# KiCad board JL.kicad_pcb (continued)
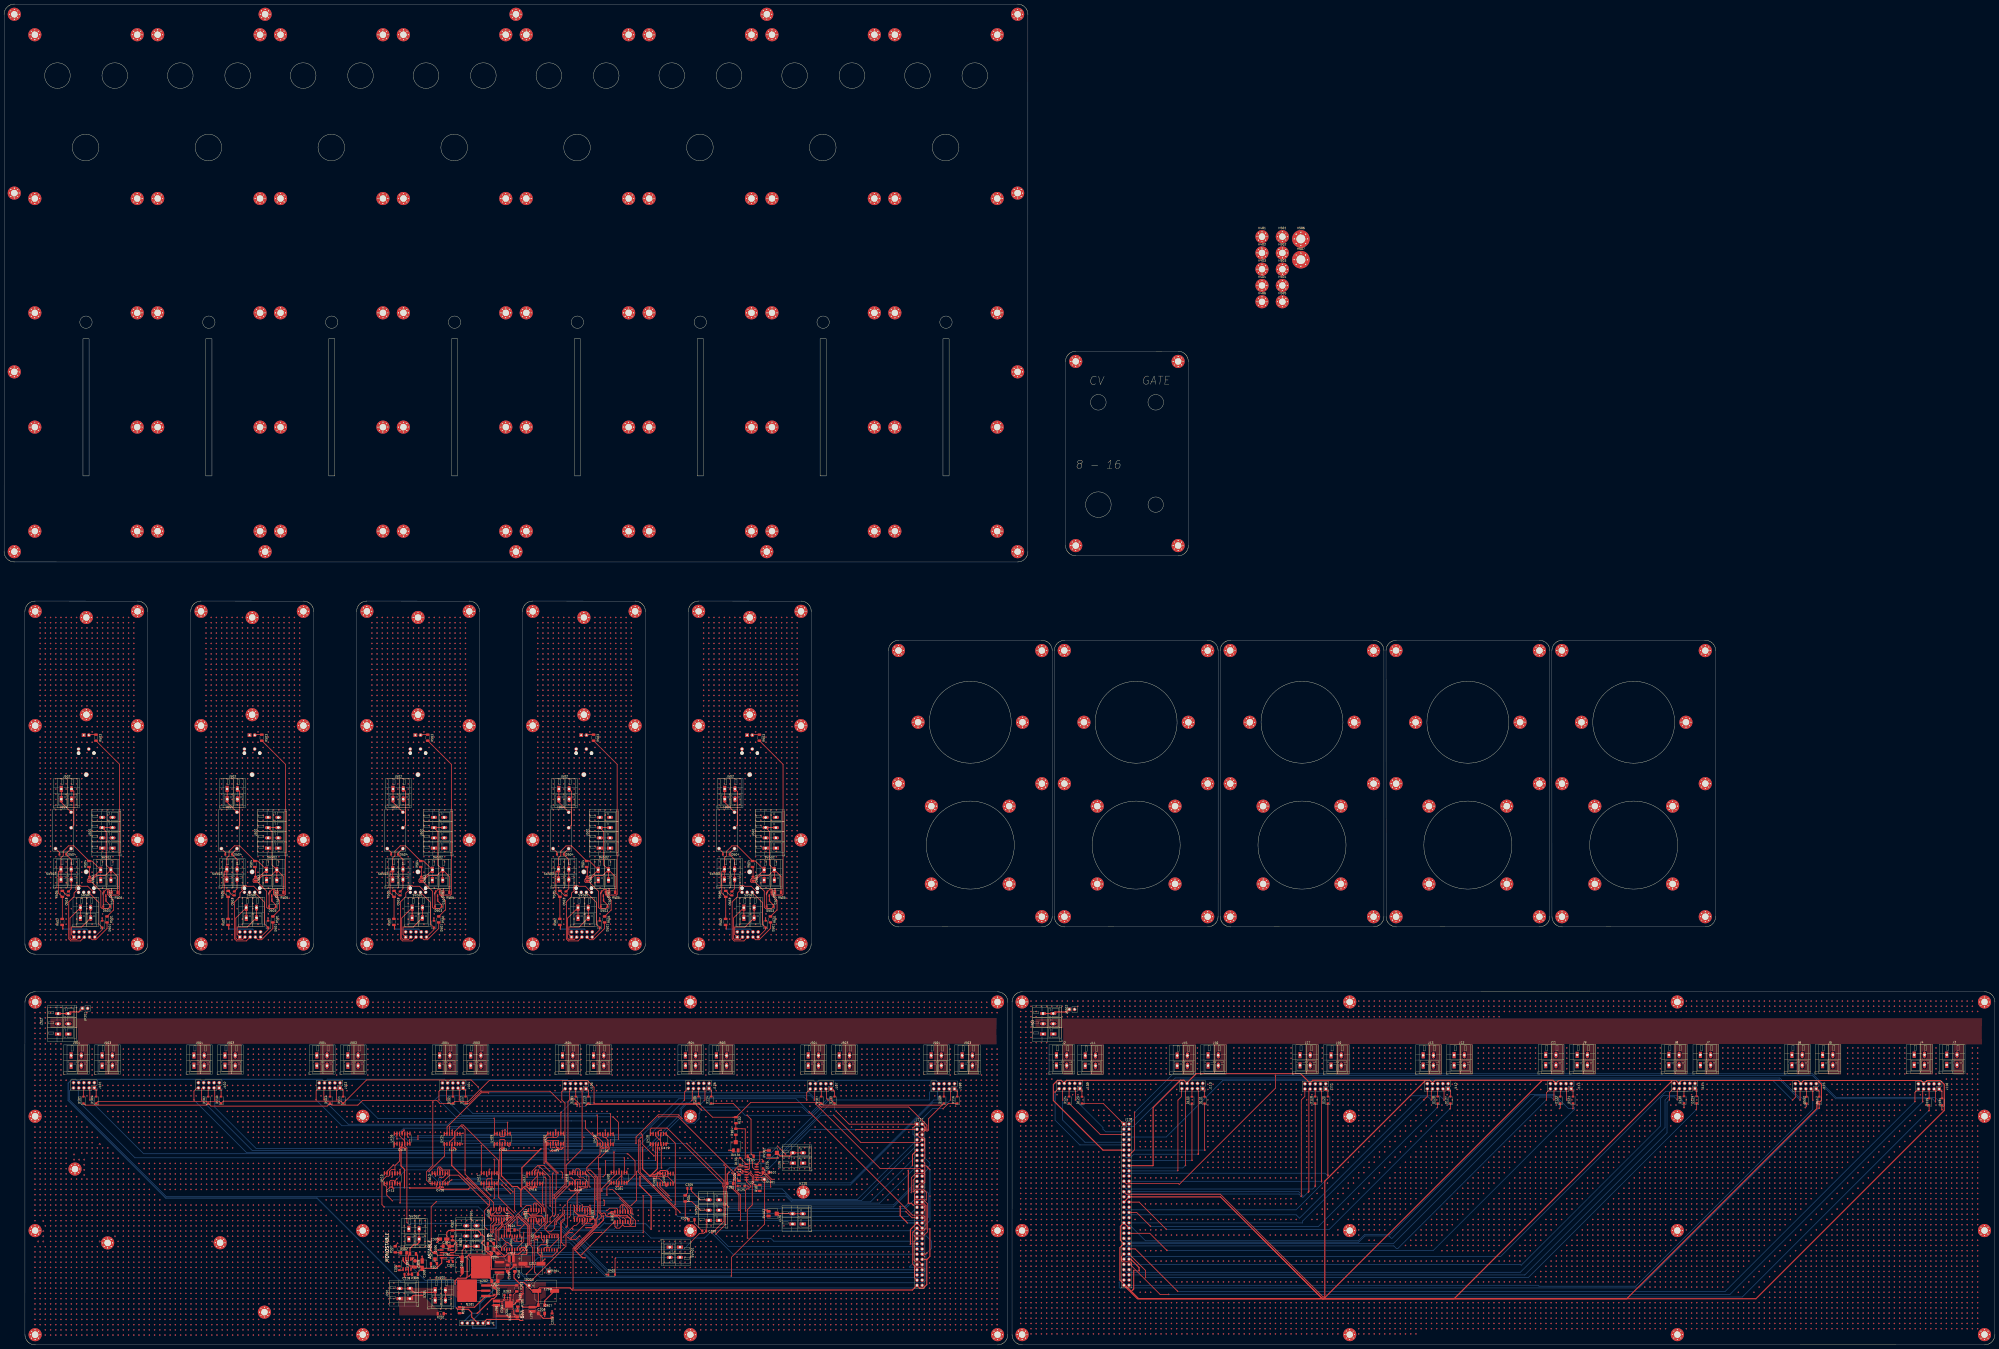
[diagram p0: board, top side]
## Routing (per net, layer and track width the routed paths; a pad name or vN(x,y) marks a point on that pad's centre or on a via; arc(x,y) is an arc through that point) (continued)
  vias: v1(15.07,162.29) v1(15.07,159.75) v1(15.07,157.21) v1(15.07,154.67) v1(15.07,152.13) v1(15.07,149.59) v1(15.07,147.05) v1(15.07,144.51) v1(15.07,141.97) v1(15.07,139.43) v1(15.07,136.89) v1(15.07,134.35) v1(15.07,131.81) v1(15.07,129.27) v1(15.07,126.73) v1(15.07,124.19) v1(15.07,121.65) v1(15.07,119.11) v1(15.07,116.57) v1(15.07,106.41) v1(15.07,103.87) v1(15.07,101.33) v1(15.07,98.79) v1(15.07,96.25) v1(15.07,93.71) v1(15.07,91.17) v1(15.07,88.63) v1(15.07,86.09) v1(15.07,83.55) v1(15.07,81.01) v1(15.07,78.47) v1(15.07,75.93) v1(15.07,73.39) v1(15.07,70.85) v1(15.07,68.31) v1(15.07,65.77) v1(15.07,63.23) v1(15.07,60.69) v1(15.07,47.99) v1(15.07,45.45) v1(15.07,42.91) v1(15.07,40.37) v1(15.07,37.83) v1(15.07,35.29) v1(15.07,32.75) v1(15.07,30.21) v1(15.07,27.67) v1(15.07,25.13) v1(15.07,22.59) v1(15.07,20.05) v1(15.07,17.51) v1(15.07,14.97) v1(15.07,12.43) v1(15.07,9.89) v1(17.61,162.29) v1(17.61,159.75) v1(17.61,157.21) v1(17.61,154.67) v1(17.61,152.13) v1(17.61,149.59) v1(17.61,147.05) v1(17.61,144.51) v1(17.61,141.97) v1(17.61,139.43) v1(17.61,136.89) v1(17.61,134.35) v1(17.61,131.81) v1(17.61,129.27) v1(17.61,126.73) v1(17.61,124.19) v1(17.61,121.65) v1(17.61,119.11) v1(17.61,116.57) v1(17.61,106.41) v1(17.61,103.87) v1(17.61,101.33) v1(17.61,98.79) v1(17.61,96.25) v1(17.61,93.71) v1(17.61,91.17) v1(17.61,88.63) v1(17.61,86.09) v1(17.61,83.55) v1(17.61,81.01) v1(17.61,78.47) v1(17.61,75.93) v1(17.61,73.39) v1(17.61,70.85) v1(17.61,68.31) v1(17.61,65.77) v1(17.61,63.23) v1(17.61,47.99) v1(17.61,45.45) v1(17.61,42.91) v1(17.61,40.37) v1(17.61,37.83) v1(17.61,35.29) v1(17.61,32.75) v1(17.61,30.21) v1(17.61,27.67) v1(17.61,25.13) v1(17.61,22.59) v1(17.61,20.05) v1(17.61,17.51) v1(17.61,14.97) v1(17.61,12.43) v1(17.61,9.89) v1(20.15,167.37) v1(20.15,164.83) v1(20.15,162.29) v1(20.15,159.75) v1(20.15,157.21) v1(20.15,154.67) v1(20.15,152.13) v1(20.15,149.59) v1(20.15,147.05) v1(20.15,144.51) v1(20.15,141.97) v1(20.15,139.43) v1(20.15,136.89) v1(20.15,134.35) v1(20.15,131.81) v1(20.15,129.27) v1(20.15,126.73) v1(20.15,124.19) v1(20.15,121.65) v1(20.15,119.11) v1(20.15,116.57) v1(20.15,114.03) v1(20.15,111.49) v1(20.15,108.95) v1(20.15,106.41) v1(20.15,103.87) v1(20.15,101.33) v1(20.15,98.79) v1(20.15,96.25) v1(20.15,93.71) v1(20.15,91.17) v1(20.15,88.63) v1(20.15,86.09) v1(20.15,83.55) v1(20.15,81.01) v1(20.15,78.47) v1(20.15,75.93) v1(20.15,73.39) v1(20.15,70.85) v1(20.15,68.31) v1(20.15,65.77) v1(20.15,63.23) v1(20.15,58.15) v1(20.15,47.99) v1(20.15,45.45) v1(20.15,42.91) v1(20.15,40.37) v1(20.15,37.83) v1(20.15,35.29) v1(20.15,32.75) v1(20.15,30.21) v1(20.15,27.67) v1(20.15,25.13) v1(20.15,22.59) v1(20.15,20.05) v1(20.15,17.51) v1(20.15,14.97) v1(20.15,12.43) v1(20.15,9.89) v1(20.15,7.35) v1(20.15,4.81) v1(22.69,167.37) v1(22.69,164.83) v1(22.69,162.29) v1(22.69,147.05) v1(22.69,144.51) v1(22.69,141.97) v1(22.69,139.43) v1(22.69,136.89) v1(22.69,134.35) v1(22.69,131.81) v1(22.69,129.27) v1(22.69,126.73) v1(22.69,124.19) v1(22.69,121.65) v1(22.69,119.11) v1(22.69,116.57) v1(22.69,114.03) v1(22.69,111.49) v1(22.69,108.95) v1(22.69,106.41) v1(22.69,103.87) v1(22.69,101.33) v1(22.69,98.79) v1(22.69,96.25) v1(22.69,93.71) v1(22.69,91.17) v1(22.69,88.63) v1(22.69,86.09) v1(22.69,83.55) v1(22.69,81.01) v1(22.69,78.47) v1(22.69,75.93) v1(22.69,73.39) v1(22.69,70.85) v1(22.69,68.31) v1(22.69,65.77) v1(22.69,63.23) v1(22.69,60.69) v1(22.69,58.15) v1(22.69,55.61) v1(22.69,53.07) v1(22.69,50.53) v1(22.69,47.99) v1(22.69,45.45) v1(22.69,42.91) v1(22.69,40.37) v1(22.69,37.83) v1(22.69,35.29) v1(22.69,32.75) v1(22.69,30.21) v1(22.69,27.67) v1(22.69,25.13) v1(22.69,22.59) v1(22.69,20.05) v1(22.69,17.51) v1(22.69,14.97) v1(22.69,12.43) v1(22.69,9.89) v1(22.69,7.35) v1(22.69,4.81) v1(25.23,167.37) v1(25.23,164.83) v1(25.23,147.05) v1(25.23,144.51) v1(25.23,141.97) v1(25.23,139.43) v1(25.23,136.89) v1(25.23,134.35) v1(25.23,131.81) v1(25.23,129.27) v1(25.23,126.73) v1(25.23,124.19) v1(25.23,121.65) v1(25.23,119.11) v1(25.23,116.57) v1(25.23,114.03) v1(25.23,111.49) v1(25.23,108.95) v1(25.23,106.41) v1(25.23,103.87) v1(25.23,101.33) v1(25.23,98.79) v1(25.23,96.25) v1(25.23,93.71) v1(25.23,91.17) v1(25.23,88.63) v1(25.23,86.09) v1(25.23,83.55) v1(25.23,81.01) v1(25.23,78.47) v1(25.23,75.93) v1(25.23,73.39) v1(25.23,70.85) v1(25.23,68.31) v1(25.23,65.77) v1(25.23,63.23) v1(25.23,60.69) v1(25.23,58.15) v1(25.23,55.61) v1(25.23,53.07) v1(25.23,50.53) v1(25.23,47.99) v1(25.23,45.45) v1(25.23,42.91) v1(25.23,40.37) v1(25.23,37.83) v1(25.23,35.29) v1(25.23,32.75) v1(25.23,30.21) v1(25.23,27.67) v1(25.23,25.13) v1(25.23,22.59) v1(25.23,20.05) v1(25.23,17.51) v1(25.23,14.97) v1(25.23,12.43) v1(25.23,9.89) v1(25.23,7.35) v1(25.23,4.81) v1(27.77,167.37) v1(27.77,164.83) v1(27.77,147.05) v1(27.77,144.51) v1(27.77,141.97) v1(27.77,139.43) v1(27.77,136.89) v1(27.77,134.35) v1(27.77,131.81) v1(27.77,129.27) v1(27.77,126.73) v1(27.77,124.19) v1(27.77,121.65) v1(27.77,119.11) v1(27.77,116.57) v1(27.77,114.03) v1(27.77,111.49) v1(27.77,108.95) v1(27.77,106.41) v1(27.77,103.87) v1(27.77,101.33) v1(27.77,98.79) v1(27.77,96.25) v1(27.77,93.71) v1(27.77,91.17) v1(27.77,88.63) v1(27.77,86.09) v1(27.77,83.55) v1(27.77,81.01) v1(27.77,78.47) v1(27.77,75.93) v1(27.77,73.39) v1(27.77,70.85) v1(27.77,68.31) v1(27.77,65.77) v1(27.77,63.23) v1(27.77,60.69) v1(27.77,58.15) v1(27.77,55.61) v1(27.77,53.07) v1(27.77,50.53) v1(27.77,47.99) v1(27.77,45.45) v1(27.77,42.91) v1(27.77,40.37) v1(27.77,37.83) v1(27.77,35.29) v1(27.77,32.75) v1(27.77,30.21) v1(27.77,27.67) v1(27.77,25.13) v1(27.77,22.59) v1(27.77,20.05) v1(27.77,17.51) v1(27.77,14.97) v1(27.77,12.43) v1(27.77,9.89) v1(27.77,7.35) v1(27.77,4.81) v1(30.31,167.37) v1(30.31,164.83) v1(30.31,129.27) v1(30.31,116.57) v1(30.31,114.03) v1(30.31,111.49) v1(30.31,108.95) v1(30.31,106.41) v1(30.31,103.87) v1(30.31,101.33) v1(30.31,98.79) v1(30.31,96.25) v1(30.31,93.71) v1(30.31,91.17) v1(30.31,88.63) v1(30.31,86.09) v1(30.31,83.55) v1(30.31,81.01) v1(30.31,78.47) v1(30.31,75.93) v1(30.31,73.39) v1(30.31,70.85) v1(30.31,68.31) v1(30.31,65.77) v1(30.31,63.23) v1(30.31,60.69) v1(30.31,58.15) v1(30.31,55.61) v1(30.31,53.07) v1(30.31,50.53) v1(30.31,47.99) v1(30.31,45.45) v1(30.31,42.91) v1(30.31,40.37) v1(30.31,37.83) v1(30.31,35.29) v1(30.31,32.75) v1(30.31,30.21) v1(30.31,27.67) v1(30.31,25.13) v1(30.31,22.59) v1(30.31,20.05) v1(30.31,17.51) v1(30.31,14.97) v1(30.31,12.43) v1(30.31,9.89) v1(30.31,7.35) v1(30.31,4.81) v1(32.85,167.37) v1(32.85,164.83) v1(32.85,114.03) v1(32.85,111.49) v1(32.85,108.95) v1(32.85,106.41) v1(32.85,103.87) v1(32.85,101.33) v1(32.85,98.79) v1(32.85,96.25) v1(32.85,81.01) v1(32.85,78.47) v1(32.85,75.93) v1(32.85,73.39) v1(32.85,70.85) v1(32.85,68.31) v1(32.85,65.77) v1(32.85,63.23) v1(32.85,60.69) v1(32.85,58.15) v1(32.85,55.61) v1(32.85,53.07) v1(32.85,50.53) v1(32.85,47.99) v1(32.85,45.45) v1(32.85,42.91) v1(32.85,40.37) v1(32.85,37.83) v1(32.85,35.29) v1(32.85,32.75) v1(32.85,30.21) v1(32.85,27.67) v1(32.85,25.13) v1(32.85,22.59) v1(32.85,20.05) v1(32.85,17.51) v1(32.85,14.97) v1(32.85,12.43) v1(32.85,9.89) v1(32.85,7.35) v1(32.85,4.81) v1(35.39,167.37) v1(35.39,164.83) v1(35.39,111.49) v1(35.39,108.95) v1(35.39,106.41) v1(35.39,103.87) v1(35.39,101.33) v1(35.39,98.79) v1(35.39,96.25) v1(35.39,81.01) v1(35.39,78.47) v1(35.39,75.93) v1(35.39,73.39) v1(35.39,70.85) v1(35.39,68.31) v1(35.39,65.77) v1(35.39,63.23) v1(35.39,60.69) v1(35.39,58.15) v1(35.39,55.61) v1(35.39,53.07) v1(35.39,50.53) v1(35.39,47.99) v1(35.39,45.45) v1(35.39,42.91) v1(35.39,40.37) v1(35.39,37.83) v1(35.39,35.29) v1(35.39,32.75) v1(35.39,30.21) v1(35.39,27.67) v1(35.39,25.13) v1(35.39,22.59) v1(35.39,20.05) v1(35.39,17.51) v1(35.39,14.97) v1(35.39,12.43) v1(35.39,9.89) v1(35.39,7.35) v1(35.39,4.81) v1(37.93,167.37) v1(37.93,108.95) v1(37.93,106.41) v1(37.93,103.87) v1(37.93,101.33) v1(37.93,98.79) v1(37.93,96.25) v1(37.93,93.71) v1(37.93,81.01) v1(37.93,78.47) v1(37.93,75.93) v1(37.93,73.39) v1(37.93,70.85) v1(37.93,68.31) v1(37.93,65.77) v1(37.93,63.23) v1(37.93,60.69) v1(37.93,58.15) v1(37.93,55.61) v1(37.93,53.07) v1(37.93,50.53) v1(37.93,47.99) v1(37.93,45.45) v1(37.93,42.91) v1(37.93,40.37) v1(37.93,37.83) v1(37.93,35.29) v1(37.93,32.75) v1(37.93,30.21) v1(37.93,27.67) v1(37.93,25.13) v1(37.93,22.59) v1(37.93,20.05) v1(37.93,17.51) v1(37.93,14.97) v1(37.93,12.43) v1(37.93,9.89) v1(37.93,7.35) v1(37.93,4.81) v1(40.47,167.37) v1(40.47,162.29) v1(40.47,121.65) v1(40.47,106.41) v1(40.47,103.87) v1(40.47,101.33) v1(40.47,98.79) v1(40.47,96.25) v1(40.47,93.71) v1(40.47,81.01) v1(40.47,78.47) v1(40.47,75.93) v1(40.47,73.39) v1(40.47,70.85) v1(40.47,68.31) v1(40.47,65.77) v1(40.47,63.23) v1(40.47,60.69) v1(40.47,58.15) v1(40.47,55.61) v1(40.47,53.07) v1(40.47,50.53) v1(40.47,47.99) v1(40.47,45.45) v1(40.47,42.91) v1(40.47,40.37) v1(40.47,37.83) v1(40.47,35.29) v1(40.47,32.75) v1(40.47,30.21) v1(40.47,27.67) v1(40.47,25.13) v1(40.47,22.59) v1(40.47,20.05) v1(40.47,17.51) v1(40.47,14.97) v1(40.47,12.43) v1(40.47,9.89) v1(40.47,7.35) v1(40.47,4.81) v1(43.01,167.37) v1(43.01,164.83) v1(43.01,162.29) v1(43.01,144.51) v1(43.01,141.97) v1(43.01,139.43) v1(43.01,136.89) v1(43.01,134.35) v1(43.01,131.81) v1(43.01,121.65) v1(43.01,103.87) v1(43.01,101.33) v1(43.01,98.79) v1(43.01,96.25) v1(43.01,93.71) v1(43.01,91.17) v1(43.01,88.63) v1(43.01,86.09) v1(43.01,83.55) v1(43.01,81.01) v1(43.01,78.47) v1(43.01,75.93) v1(43.01,73.39) v1(43.01,70.85) v1(43.01,68.31) v1(43.01,65.77) v1(43.01,63.23) v1(43.01,60.69) v1(43.01,58.15) v1(43.01,55.61) v1(43.01,53.07) v1(43.01,50.53) v1(43.01,47.99) v1(43.01,45.45) v1(43.01,42.91) v1(43.01,40.37) v1(43.01,37.83) v1(43.01,35.29) v1(43.01,32.75) v1(43.01,30.21) v1(43.01,27.67) v1(43.01,25.13) v1(43.01,22.59) v1(43.01,20.05) v1(43.01,17.51) v1(43.01,14.97) v1(43.01,12.43) v1(43.01,9.89) v1(43.01,7.35) v1(43.01,4.81) v1(45.55,167.37) v1(45.55,164.83) v1(45.55,162.29) v1(45.55,101.33) v1(45.55,96.25) v1(45.55,93.71) v1(45.55,91.17) v1(45.55,88.63) v1(45.55,86.09) v1(45.55,83.55) v1(45.55,81.01) v1(45.55,78.47) v1(45.55,75.93) v1(45.55,73.39) v1(45.55,70.85) v1(45.55,68.31) v1(45.55,65.77) v1(45.55,63.23) v1(45.55,60.69) v1(45.55,58.15) v1(45.55,55.61) v1(45.55,53.07) v1(45.55,47.99) v1(45.55,45.45) v1(45.55,42.91) v1(45.55,40.37) v1(45.55,37.83) v1(45.55,35.29) v1(45.55,32.75) v1(45.55,30.21) v1(45.55,27.67) v1(45.55,25.13) v1(45.55,22.59) v1(45.55,20.05) v1(45.55,17.51) v1(45.55,14.97) v1(45.55,12.43) v1(45.55,9.89) v1(45.55,7.35) v1(45.55,4.81) v1(48.09,167.37) v1(48.09,164.83) v1(48.09,162.29) v1(48.09,126.73) v1(48.09,124.19) v1(48.09,121.65) v1(48.09,96.25) v1(48.09,93.71) v1(48.09,91.17) v1(48.09,88.63) v1(48.09,86.09) v1(48.09,83.55) v1(48.09,81.01) v1(48.09,78.47) v1(48.09,75.93) v1(48.09,73.39) v1(48.09,70.85) v1(48.09,68.31) v1(48.09,65.77) v1(48.09,63.23) v1(48.09,60.69) v1(48.09,58.15) v1(48.09,55.61) v1(48.09,45.45) v1(48.09,42.91) v1(48.09,40.37) v1(48.09,37.83) v1(48.09,35.29) v1(48.09,32.75) v1(48.09,30.21) v1(48.09,27.67) v1(48.09,25.13) v1(48.09,22.59) v1(48.09,20.05) v1(48.09,17.51) v1(48.09,14.97) v1(48.09,12.43) v1(48.09,9.89) v1(48.09,7.35) v1(48.09,4.81) v1(50.63,167.37) v1(50.63,164.83) v1(50.63,162.29) v1(50.63,126.73) v1(50.63,124.19) v1(50.63,121.65) v1(50.63,114.03) v1(50.63,96.25) v1(50.63,93.71) v1(50.63,91.17) v1(50.63,88.63) v1(50.63,86.09) v1(50.63,83.55) v1(50.63,81.01) v1(50.63,78.47) v1(50.63,75.93) v1(50.63,73.39) v1(50.63,70.85) v1(50.63,68.31) v1(50.63,65.77) v1(50.63,63.23) v1(50.63,60.69) v1(50.63,58.15) v1(50.63,55.61) v1(50.63,45.45) v1(50.63,42.91) v1(50.63,40.37) v1(50.63,37.83) v1(50.63,35.29) v1(50.63,32.75) v1(50.63,30.21) v1(50.63,27.67) v1(50.63,25.13) v1(50.63,22.59) v1(50.63,20.05) v1(50.63,17.51) v1(50.63,14.97) v1(50.63,12.43) v1(50.63,9.89) v1(50.63,7.35) v1(50.63,4.81) v1(53.17,167.37) v1(53.17,164.83) v1(53.17,162.29) v1(53.17,126.73) v1(53.17,124.19) v1(53.17,121.65) v1(53.17,114.03) v1(53.17,111.49) v1(53.17,93.71) v1(53.17,91.17) v1(53.17,88.63) v1(53.17,86.09) v1(53.17,83.55) v1(53.17,81.01) v1(53.17,78.47) v1(53.17,75.93) v1(53.17,73.39) v1(53.17,70.85) v1(53.17,68.31) v1(53.17,65.77) v1(53.17,63.23) v1(53.17,60.69) v1(53.17,58.15) v1(53.17,55.61) v1(53.17,45.45) v1(53.17,42.91) v1(53.17,40.37) v1(53.17,37.83) v1(53.17,35.29) v1(53.17,32.75) v1(53.17,30.21) v1(53.17,27.67) v1(53.17,25.13) v1(53.17,22.59) v1(53.17,20.05) v1(53.17,17.51) v1(53.17,14.97) v1(53.17,12.43) v1(53.17,9.89) v1(53.17,7.35) v1(53.17,4.81) v1(55.71,167.37) v1(55.71,164.83) v1(55.71,162.29) v1(55.71,126.73) v1(55.71,124.19) v1(55.71,121.65) v1(55.71,114.03) v1(55.71,111.49) v1(55.71,108.95) v1(55.71,91.17) v1(55.71,88.63) v1(55.71,86.09) v1(55.71,83.55) v1(55.71,81.01) v1(55.71,78.47) v1(55.71,75.93) v1(55.71,73.39) v1(55.71,70.85) v1(55.71,68.31) v1(55.71,65.77) v1(55.71,63.23) v1(55.71,60.69) v1(55.71,58.15) v1(55.71,55.61) v1(55.71,50.53) v1(55.71,47.99) v1(55.71,45.45) v1(55.71,42.91) v1(55.71,40.37) v1(55.71,37.83) v1(55.71,35.29) v1(55.71,32.75) v1(55.71,30.21) v1(55.71,27.67) v1(55.71,25.13) v1(55.71,22.59) v1(55.71,20.05) v1(55.71,17.51) v1(55.71,14.97) v1(55.71,12.43) v1(55.71,9.89) v1(55.71,7.35) v1(55.71,4.81) v1(58.25,167.37) v1(58.25,164.83) v1(58.25,162.29) v1(58.25,144.51) v1(58.25,141.97) v1(58.25,139.43) v1(58.25,136.89) v1(58.25,134.35) v1(58.25,131.81) v1(58.25,126.73) v1(58.25,124.19) v1(58.25,121.65) v1(58.25,114.03) v1(58.25,111.49) v1(58.25,108.95) v1(58.25,106.41) v1(58.25,88.63) v1(58.25,86.09) v1(58.25,83.55) v1(58.25,81.01) v1(58.25,78.47) v1(58.25,75.93) v1(58.25,73.39) v1(58.25,70.85) v1(58.25,68.31) v1(58.25,65.77) v1(58.25,63.23) v1(58.25,60.69) v1(58.25,58.15) v1(58.25,55.61) v1(58.25,53.07) v1(58.25,50.53) v1(58.25,47.99) v1(58.25,45.45) v1(58.25,42.91) v1(58.25,40.37) v1(58.25,37.83) v1(58.25,35.29) v1(58.25,32.75) v1(58.25,30.21) v1(58.25,27.67) v1(58.25,25.13) v1(58.25,22.59) v1(58.25,20.05) v1(58.25,17.51) v1(58.25,14.97) v1(58.25,12.43) v1(58.25,9.89) v1(58.25,7.35) v1(58.25,4.81) v1(60.79,167.37) v1(60.79,164.83) v1(60.79,162.29) v1(60.79,144.51) v1(60.79,141.97) v1(60.79,139.43) v1(60.79,136.89) v1(60.79,134.35) v1(60.79,131.81) v1(60.79,126.73) v1(60.79,124.19) v1(60.79,121.65) v1(60.79,114.03) v1(60.79,111.49) v1(60.79,108.95) v1(60.79,106.41) v1(60.79,103.87) v1(60.79,86.09) v1(60.79,83.55) v1(60.79,81.01) v1(60.79,78.47) v1(60.79,75.93) v1(60.79,73.39) v1(60.79,70.85) v1(60.79,68.31) v1(60.79,65.77) v1(60.79,63.23) v1(60.79,60.69) v1(60.79,58.15) v1(60.79,55.61) v1(60.79,53.07) v1(60.79,50.53) v1(60.79,47.99) v1(60.79,45.45) v1(60.79,42.91) v1(60.79,40.37) v1(60.79,37.83) v1(60.79,35.29) v1(60.79,32.75) v1(60.79,30.21) v1(60.79,27.67) v1(60.79,25.13) v1(60.79,22.59) v1(60.79,20.05) v1(60.79,17.51) v1(60.79,14.97) v1(60.79,12.43) v1(60.79,9.89) v1(60.79,7.35) v1(60.79,4.81) v1(63.33,167.37) v1(63.33,164.83) v1(63.33,162.29) v1(63.33,144.51) v1(63.33,141.97) v1(63.33,139.43) v1(63.33,136.89) v1(63.33,134.35) v1(63.33,131.81) v1(63.33,126.73) v1(63.33,124.19) v1(63.33,121.65) v1(63.33,114.03) v1(63.33,111.49) v1(63.33,108.95) v1(63.33,106.41) v1(63.33,103.87) v1(63.33,101.33) v1(63.33,83.55) v1(63.33,81.01) v1(63.33,78.47) v1(63.33,75.93) v1(63.33,73.39) v1(63.33,70.85) v1(63.33,68.31) v1(63.33,65.77) v1(63.33,63.23) v1(63.33,60.69) v1(63.33,58.15) v1(63.33,55.61) v1(63.33,53.07) v1(63.33,50.53) v1(63.33,47.99) v1(63.33,45.45) v1(63.33,42.91) v1(63.33,40.37) v1(63.33,37.83) v1(63.33,35.29) v1(63.33,32.75) v1(63.33,30.21) v1(63.33,27.67) v1(63.33,25.13) v1(63.33,22.59) v1(63.33,20.05) v1(63.33,17.51) v1(63.33,14.97) v1(63.33,12.43) v1(63.33,9.89) v1(63.33,7.35) v1(63.33,4.81) v1(65.87,167.37) v1(65.87,164.83) v1(65.87,162.29) v1(65.87,144.51) v1(65.87,141.97) v1(65.87,139.43) v1(65.87,136.89) v1(65.87,134.35) v1(65.87,131.81) v1(65.87,126.73) v1(65.87,124.19) v1(65.87,121.65) v1(65.87,114.03) v1(65.87,111.49) v1(65.87,108.95) v1(65.87,106.41) v1(65.87,103.87) v1(65.87,101.33) v1(65.87,98.79) v1(65.87,88.63) v1(65.87,81.01) v1(65.87,78.47) v1(65.87,75.93) v1(65.87,73.39) v1(65.87,70.85) v1(65.87,68.31) v1(65.87,65.77) v1(65.87,63.23) v1(65.87,60.69) v1(65.87,58.15) v1(65.87,55.61) v1(65.87,53.07) v1(65.87,50.53) v1(65.87,47.99) v1(65.87,45.45) v1(65.87,42.91) v1(65.87,40.37) v1(65.87,37.83) v1(65.87,35.29) v1(65.87,32.75) v1(65.87,30.21) v1(65.87,27.67) v1(65.87,25.13) v1(65.87,22.59) v1(65.87,20.05) v1(65.87,17.51) v1(65.87,14.97) v1(65.87,12.43) v1(65.87,9.89) v1(65.87,7.35) v1(65.87,4.81) v1(68.41,167.37) v1(68.41,164.83) v1(68.41,162.29) v1(68.41,144.51) v1(68.41,141.97) v1(68.41,139.43) v1(68.41,136.89) v1(68.41,134.35) v1(68.41,131.81) v1(68.41,126.73) v1(68.41,124.19) v1(68.41,121.65) v1(68.41,114.03) v1(68.41,111.49) v1(68.41,108.95) v1(68.41,106.41) v1(68.41,103.87) v1(68.41,101.33) v1(68.41,98.79) v1(68.41,96.25) v1(68.41,88.63) v1(68.41,86.09) v1(68.41,78.47) v1(68.41,75.93) v1(68.41,73.39) v1(68.41,70.85) v1(68.41,68.31) v1(68.41,65.77) v1(68.41,63.23) v1(68.41,60.69) v1(68.41,58.15) v1(68.41,55.61) v1(68.41,53.07) v1(68.41,50.53) v1(68.41,47.99) v1(68.41,45.45) v1(68.41,42.91) v1(68.41,40.37) v1(68.41,37.83) v1(68.41,35.29) v1(68.41,32.75) v1(68.41,30.21) v1(68.41,27.67) v1(68.41,25.13) v1(68.41,22.59) v1(68.41,20.05) v1(68.41,17.51) v1(68.41,14.97) v1(68.41,12.43) v1(68.41,9.89) v1(68.41,7.35) v1(68.41,4.81) v1(70.95,167.37) v1(70.95,164.83) v1(70.95,162.29) v1(70.95,144.51) v1(70.95,141.97) v1(70.95,139.43) v1(70.95,136.89) v1(70.95,134.35) v1(70.95,131.81) v1(70.95,126.73) v1(70.95,124.19) v1(70.95,121.65) v1(70.95,114.03) v1(70.95,111.49) v1(70.95,108.95) v1(70.95,106.41) v1(70.95,103.87) v1(70.95,101.33) v1(70.95,98.79) v1(70.95,96.25) v1(70.95,88.63) v1(70.95,86.09) v1(70.95,83.55) v1(70.95,75.93) v1(70.95,73.39) v1(70.95,70.85) v1(70.95,68.31) v1(70.95,65.77) v1(70.95,63.23) v1(70.95,60.69) v1(70.95,58.15) v1(70.95,55.61) v1(70.95,53.07) v1(70.95,50.53) v1(70.95,47.99) v1(70.95,45.45) v1(70.95,42.91) v1(70.95,40.37) v1(70.95,37.83) v1(70.95,35.29) v1(70.95,32.75) v1(70.95,30.21) v1(70.95,27.67) v1(70.95,25.13) v1(70.95,22.59) v1(70.95,20.05) v1(70.95,17.51) v1(70.95,14.97) v1(70.95,12.43) v1(70.95,9.89) v1(70.95,7.35) v1(70.95,4.81) v1(73.49,167.37) v1(73.49,164.83) v1(73.49,162.29) v1(73.49,144.51) v1(73.49,141.97) v1(73.49,139.43) v1(73.49,136.89) v1(73.49,134.35) v1(73.49,131.81) v1(73.49,126.73) v1(73.49,124.19) v1(73.49,121.65) v1(73.49,114.03) v1(73.49,111.49) v1(73.49,108.95) v1(73.49,106.41) v1(73.49,103.87) v1(73.49,101.33) v1(73.49,98.79) v1(73.49,96.25) v1(73.49,88.63) v1(73.49,86.09) v1(73.49,83.55) v1(73.49,81.01) v1(73.49,73.39) v1(73.49,70.85) v1(73.49,68.31) v1(73.49,65.77) v1(73.49,63.23) v1(73.49,60.69) v1(73.49,58.15) v1(73.49,55.61) v1(73.49,53.07) v1(73.49,50.53) v1(73.49,47.99) v1(73.49,45.45) v1(73.49,42.91) v1(73.49,40.37) v1(73.49,37.83) v1(73.49,35.29) v1(73.49,32.75) v1(73.49,30.21) v1(73.49,27.67) v1(73.49,25.13) v1(73.49,22.59) v1(73.49,20.05) v1(73.49,17.51) v1(73.49,14.97) v1(73.49,12.43) v1(73.49,9.89) v1(73.49,7.35) v1(73.49,4.81) v1(76.03,167.37) v1(76.03,164.83) v1(76.03,162.29) v1(76.03,144.51) v1(76.03,141.97) v1(76.03,139.43) v1(76.03,136.89) v1(76.03,134.35) v1(76.03,131.81) v1(76.03,126.73) v1(76.03,124.19) v1(76.03,121.65) v1(76.03,114.03) v1(76.03,111.49) v1(76.03,108.95) v1(76.03,106.41) v1(76.03,103.87) v1(76.03,101.33) v1(76.03,98.79) v1(76.03,96.25) v1(76.03,88.63) v1(76.03,86.09) v1(76.03,83.55) v1(76.03,81.01) v1(76.03,78.47) v1(76.03,70.85) v1(76.03,68.31) v1(76.03,65.77) v1(76.03,63.23) v1(76.03,60.69) v1(76.03,58.15) v1(76.03,55.61) v1(76.03,53.07) v1(76.03,50.53) v1(76.03,47.99) v1(76.03,45.45) v1(76.03,42.91) v1(76.03,40.37) v1(76.03,37.83) v1(76.03,35.29) v1(76.03,32.75) v1(76.03,30.21) v1(76.03,27.67) v1(76.03,25.13) v1(76.03,22.59) v1(76.03,20.05) v1(76.03,17.51) v1(76.03,14.97) v1(76.03,12.43) v1(76.03,9.89) v1(76.03,7.35) v1(76.03,4.81) v1(78.57,167.37) v1(78.57,164.83) v1(78.57,162.29) v1(78.57,144.51) v1(78.57,141.97) v1(78.57,139.43) v1(78.57,136.89) v1(78.57,134.35) v1(78.57,131.81) v1(78.57,126.73) v1(78.57,124.19) v1(78.57,121.65) v1(78.57,114.03) 